# Allegro board S071AA-0413-20260427.brd (continued)
## Routing (per net, layer and track width the routed paths; a pad name or vN(x,y) marks a point on that pad's centre or on a via; arc(x,y) is an arc through that point) (continued)
  L09_DPS w0.076: 138.29,213.06 v2(138.72,212.63)
  L09_DPS w0.203: 138.29,213.06 137.84,213.51 v1(132.52,213.51)
  L10_DGND w0.203: K32.6 102.12,243.94 ; K32.6 103.24,242.82 ; K32.6 101.01,242.82 ; K32.6 102.12,241.71 ; K21.7 43.96,228.7 ; K21.7 43.96,226.47 ; K21.7 45.08,227.58 ; 66.46,242.82 K30.7 ; K30.7 68.7,242.82 ; K30.7 67.58,241.71 ; K30.7 67.58,243.94 ; K15.7 114.82,213.46 ; K15.7 115.94,212.34 ; K15.7 114.82,211.23 ; K15.7 113.71,212.34 ; 90.08,227.58 K23.7 ; K23.7 91.2,226.47 ; K23.7 92.32,227.58 ; K23.7 91.2,228.7 ; 54.88,211.23 K7.6 ; K7.6 54.88,213.46 ; K7.6 53.76,212.34 ; K7.6 56,212.34 ; 67.58,234.09 K26.7 ; K26.7 66.46,235.2 ; K26.7 68.7,235.2 ; K26.7 67.58,236.32 ; 78.5,211.23 K14.6 ; K14.6 77.38,212.34 ; K14.6 78.5,213.46 ; K14.6 79.62,212.34 ; 77.38,235.2 K27.6 ; K27.6 78.5,236.32 ; K27.6 79.62,235.2 ; K27.6 78.5,234.09 ; K26.6 54.88,236.32 ; K26.6 53.76,235.2 ; K26.6 54.88,234.09 ; K26.6 56,235.2 ; 101.01,227.58 K24.6 ; K24.6 103.24,227.58 ; K24.6 102.12,226.47 ; K24.6 102.12,228.7 ; K19.7 92.32,219.96 ; K19.7 90.08,219.96 ; K19.7 91.2,218.85 ; K19.7 91.2,221.08 ; 77.38,204.72 K12.6 ; K12.6 78.5,205.84 ; K12.6 78.5,203.61 ; K12.6 79.62,204.72 ; K8.7 68.7,204.72 ; K8.7 67.58,203.61 ; K8.7 67.58,205.84 ; K8.7 66.46,204.72 ; K7.7 67.58,213.46 ; K7.7 66.46,212.34 ; K7.7 68.7,212.34 ; K7.7 67.58,211.23 ; K28.6 103.24,235.2 ; K28.6 102.12,234.09 ; K28.6 101.01,235.2 ; K28.6 102.12,236.32 ; 90.08,242.82 K31.7 ; K31.7 91.2,243.94 ; K31.7 92.32,242.82 ; K31.7 91.2,241.71 ; K22.7 67.58,228.7 ; K22.7 68.7,227.58 ; K22.7 66.46,227.58 ; K22.7 67.58,226.47 ; K25.7 43.96,236.32 ; K25.7 45.08,235.2 ; K25.7 43.96,234.09 ; 91.2,203.61 K12.7 ; K12.7 90.08,204.72 ; K12.7 92.32,204.72 ; K12.7 91.2,205.84 ; 113.71,242.82 K32.7 ; K32.7 115.94,242.82 ; K32.7 114.82,243.94 ; K32.7 114.82,241.71 ; K22.6 54.88,228.7 ; K22.6 56,227.58 ; K22.6 53.76,227.58 ; K22.6 54.88,226.47 ; 43.96,241.71 K29.7 ; K29.7 45.08,242.82 ; K29.7 43.96,243.94 ; K13.6 102.12,205.84 ; K13.6 101.01,204.72 ; K13.6 102.12,203.61 ; K13.6 103.24,204.72 ; 54.88,205.84 K8.6 56,204.72 ; 113.71,227.58 K24.7 ; K24.7 114.82,226.47 ; K24.7 114.82,228.7 ; K24.7 115.94,227.58 ; 101.01,212.34 K15.6 ; K15.6 102.12,213.46 ; K15.6 102.12,211.23 ; K15.6 103.24,212.34 ; 54.88,218.85 K18.6 ; K18.6 54.88,221.08 ; K18.6 53.76,219.96 ; K18.6 56,219.96 ; 54.88,241.71 K30.6 ; K30.6 56,242.82 ; K30.6 54.88,243.94 ; K30.6 53.76,242.82 ; K31.6 78.5,243.94 ; K31.6 79.62,242.82 ; K31.6 77.38,242.82 ; K31.6 78.5,241.71 ; K14.7 92.32,212.34 ; K14.7 90.08,212.34 ; K14.7 91.2,213.46 ; K14.7 91.2,211.23 ; 113.71,235.2 K28.7 ; K28.7 115.94,235.2 ; K28.7 114.82,236.32 ; K28.7 114.82,234.09 ; K27.7 92.32,235.2 ; K27.7 91.2,236.32 ; K27.7 91.2,234.09 ; K27.7 90.08,235.2 ; K18.7 68.7,219.96 ; K18.7 66.46,219.96 ; K18.7 67.58,221.08 ; K18.7 67.58,218.85 ; K23.6 79.62,227.58 ; K23.6 78.5,226.47 ; K23.6 78.5,228.7 ; K23.6 77.38,227.58 ; 102.12,218.85 K20.6 ; K20.6 102.12,221.08 ; K20.6 103.24,219.96 ; K20.6 101.01,219.96 ; K13.7 115.94,204.72 ; K13.7 114.82,203.61 ; K13.7 114.82,205.84 ; K13.7 113.71,204.72 ; 77.38,219.96 K19.6 ; K19.6 78.5,221.08 ; K19.6 78.5,218.85 ; K19.6 79.62,219.96 ; K20.7 115.94,219.96 ; K20.7 114.82,218.85 ; K20.7 114.82,221.08 ; K20.7 113.71,219.96 ; 43.96,218.85 K17.7 ; K17.7 45.08,219.96 ; K17.7 43.96,221.08
  L15_DGND w0.203: 30.14,204.72 K5.6 ; K5.6 31.26,205.84 ; K5.6 32.38,204.72 ; K5.6 31.26,203.61 ; 53.76,204.72 K8.6 ; K8.6 56,204.72 ; K8.6 54.88,205.84 ; K8.6 54.88,203.61 ; K4.7 43.96,213.46 ; K4.7 45.08,212.34 ; K4.7 43.96,211.23 ; K4.7 42.84,212.34 ; K26.6 56,235.2 ; K26.6 54.88,236.32 ; K26.6 54.88,234.09 ; K26.6 53.76,235.2 ; 31.26,195.99 K6.6 ; K6.6 32.38,197.1 ; K6.6 30.14,197.1 ; K6.6 31.26,198.22 ; 43.96,203.61 K5.7 ; K5.7 45.08,204.72 ; K5.7 43.96,205.84 ; K5.7 42.84,204.72 ; K17.7 45.08,219.96 ; K17.7 42.84,219.96 ; K17.7 43.96,221.08 ; K17.7 43.96,218.85 ; K30.6 56,242.82 ; K30.6 54.88,243.94 ; K30.6 53.76,242.82 ; K30.6 54.88,241.71 ; 53.76,189.48 K3.6 ; K3.6 56,189.48 ; K3.6 54.88,188.37 ; K3.6 54.88,190.6 ; 42.84,242.82 K29.7 ; K29.7 43.96,243.94 ; K29.7 45.08,242.82 ; K29.7 43.96,241.71 ; 53.76,212.34 K7.6 ; K7.6 56,212.34 ; K7.6 54.88,213.46 ; K7.6 54.88,211.23 ; K16.7 43.96,190.6 ; K16.7 45.08,189.48 ; K16.7 43.96,188.37 ; K16.7 42.84,189.48 ; 30.14,219.96 K17.6 ; K17.6 31.26,218.85 ; K17.6 31.26,221.08 ; K17.6 32.38,219.96 ; 54.88,195.99 K9.6 ; K9.6 56,197.1 ; K9.6 54.88,198.22 ; K9.6 53.76,197.1 ; 42.84,197.1 K6.7 ; K6.7 45.08,197.1 ; K6.7 43.96,195.99 ; K6.7 43.96,198.22 ; K4.6 31.26,213.46 ; K4.6 32.38,212.34 ; K4.6 31.26,211.23 ; K4.6 30.14,212.34 ; 30.14,227.58 K21.6 ; K21.6 31.26,228.7 ; K21.6 32.38,227.58 ; K21.6 31.26,226.47 ; K22.6 54.88,228.7 ; K22.6 54.88,226.47 ; K22.6 53.76,227.58 ; K22.6 56,227.58 ; K21.7 43.96,228.7 ; K21.7 42.84,227.58 ; K21.7 45.08,227.58 ; K21.7 43.96,226.47 ; K18.6 54.88,221.08 ; K18.6 53.76,219.96 ; K18.6 56,219.96 ; K18.6 54.88,218.85 ; 31.26,188.37 K16.6 ; K16.6 31.26,190.6 ; K16.6 32.38,189.48 ; K16.6 30.14,189.48 ; K25.6 32.38,235.2 ; K25.6 30.14,235.2 ; K25.6 31.26,234.09 ; K25.6 31.26,236.32 ; K25.7 43.96,236.32 ; K25.7 42.84,235.2 ; K25.7 45.08,235.2 ; K25.7 43.96,234.09 ; 30.14,242.82 K29.6 ; K29.6 31.26,241.71 ; K29.6 31.26,243.94 ; K29.6 32.38,242.82
  L17_DGND w0.203: 66.46,197.1 K9.7 ; K9.7 68.7,197.1 ; K9.7 67.58,195.99 ; K9.7 67.58,198.22 ; K25.7 45.08,235.2 ; K25.7 42.84,235.2 ; K25.7 43.96,236.32 ; K25.7 43.96,234.09 ; 30.14,189.48 K16.6 ; K16.6 31.26,188.37 ; K16.6 31.26,190.6 ; K16.6 32.38,189.48 ; 31.26,226.47 K21.6 ; K21.6 30.14,227.58 ; K21.6 32.38,227.58 ; K21.6 31.26,228.7 ; 78.5,211.23 K14.6 ; K14.6 79.62,212.34 ; K14.6 77.38,212.34 ; K14.6 78.5,213.46 ; K29.6 31.26,243.94 ; K29.6 32.38,242.82 ; K29.6 30.14,242.82 ; K29.6 31.26,241.71 ; 91.2,218.85 K19.7 ; K19.7 90.08,219.96 ; K19.7 91.2,221.08 ; K19.7 92.32,219.96 ; 67.58,226.47 K22.7 ; K22.7 67.58,228.7 ; K22.7 66.46,227.58 ; K22.7 68.7,227.58 ; 31.26,211.23 K4.6 ; K4.6 30.14,212.34 ; K4.6 31.26,213.46 ; K4.6 32.38,212.34 ; K3.7 68.7,189.48 ; K3.7 66.46,189.48 ; K3.7 67.58,190.6 ; K3.7 67.58,188.37 ; 67.58,234.09 K26.7 ; K26.7 66.46,235.2 ; K26.7 67.58,236.32 ; K26.7 68.7,235.2 ; 77.38,189.48 K2.6 ; K2.6 78.5,190.6 ; K2.6 79.62,189.48 ; K2.6 78.5,188.37 ; K8.7 68.7,204.72 ; K8.7 67.58,205.84 ; K8.7 66.46,204.72 ; K8.7 67.58,203.61 ; 101.01,235.2 K28.6 ; K28.6 102.12,236.32 ; K28.6 102.12,234.09 ; K28.6 103.24,235.2 ; 102.12,203.61 K13.6 ; K13.6 102.12,205.84 ; K13.6 103.24,204.72 ; K13.6 101.01,204.72 ; K29.7 43.96,243.94 ; K29.7 42.84,242.82 ; K29.7 45.08,242.82 ; K29.7 43.96,241.71 ; K24.7 114.82,228.7 ; K24.7 115.94,227.58 ; K24.7 113.71,227.58 ; K24.7 114.82,226.47 ; 102.12,241.71 K32.6 ; K32.6 103.24,242.82 ; K32.6 101.01,242.82 ; K26.6 54.88,236.32 ; K26.6 53.76,235.2 ; K26.6 54.88,234.09 ; K26.6 56,235.2 ; 53.76,189.48 K3.6 ; K3.6 56,189.48 ; K3.6 54.88,190.6 ; K3.6 54.88,188.37 ; K14.7 91.2,213.46 ; K14.7 91.2,211.23 ; K14.7 92.32,212.34 ; K14.7 90.08,212.34 ; K18.7 67.58,221.08 ; K18.7 67.58,218.85 ; K18.7 66.46,219.96 ; K18.7 68.7,219.96 ; K25.6 31.26,236.32 ; K25.6 32.38,235.2 ; K25.6 30.14,235.2 ; K25.6 31.26,234.09 ; K24.6 103.24,227.58 ; K24.6 102.12,226.47 ; K24.6 102.12,228.7 ; K24.6 101.01,227.58 ; K1.6 102.12,190.6 ; K1.6 102.12,188.37 ; K1.6 103.24,189.48 ; K1.6 101.01,189.48 ; 114.82,188.37 K1.7 ; K1.7 113.71,189.48 ; K1.7 114.82,190.6 ; K1.7 115.94,189.48 ; 90.08,235.2 K27.7 ; K27.7 91.2,236.32 ; K27.7 92.32,235.2 ; K27.7 91.2,234.09 ; 101.01,197.1 K11.6 ; K11.6 103.24,197.1 ; K11.6 102.12,198.22 ; K11.6 102.12,195.99 ; K16.7 43.96,190.6 ; K16.7 43.96,188.37 ; K16.7 45.08,189.48 ; K16.7 42.84,189.48 ; K7.6 56,212.34 ; K7.6 53.76,212.34 ; K7.6 54.88,211.23 ; K7.6 54.88,213.46 ; 114.82,203.61 K13.7 ; K13.7 113.71,204.72 ; K13.7 115.94,204.72 ; K13.7 114.82,205.84 ; K4.7 43.96,213.46 ; K4.7 42.84,212.34 ; K4.7 43.96,211.23 ; K4.7 45.08,212.34 ; 42.84,227.58 K21.7 ; K21.7 43.96,226.47 ; K21.7 43.96,228.7 ; K21.7 45.08,227.58 ; 90.08,227.58 K23.7 ; K23.7 92.32,227.58 ; K23.7 91.2,226.47 ; K23.7 91.2,228.7 ; 53.76,242.82 K30.6 ; K30.6 56,242.82 ; K30.6 54.88,243.94 ; K30.6 54.88,241.71 ; 113.71,235.2 K28.7 ; K28.7 114.82,236.32 ; K28.7 114.82,234.09 ; K28.7 115.94,235.2 ; K17.6 32.38,219.96 ; K17.6 31.26,221.08 ; K17.6 31.26,218.85 ; K17.6 30.14,219.96 ; K12.7 92.32,204.72 ; K12.7 91.2,203.61 ; K12.7 90.08,204.72 ; K12.7 91.2,205.84 ; K12.6 79.62,204.72 ; K12.6 78.5,203.61 ; K12.6 77.38,204.72 ; K12.6 78.5,205.84 ; K18.6 54.88,221.08 ; K18.6 54.88,218.85 ; K18.6 53.76,219.96 ; K18.6 56,219.96 ; K8.6 54.88,205.84 ; K8.6 56,204.72 ; K8.6 54.88,203.61 ; K8.6 53.76,204.72 ; 114.82,195.99 K11.7 ; K11.7 114.82,198.22 ; K11.7 115.94,197.1 ; K11.7 113.71,197.1 ; K31.7 92.32,242.82 ; K31.7 90.08,242.82 ; K31.7 91.2,241.71 ; 42.84,219.96 K17.7 ; K17.7 45.08,219.96 ; K17.7 43.96,218.85 ; K17.7 43.96,221.08 ; K15.6 103.24,212.34 ; K15.6 101.01,212.34 ; K15.6 102.12,211.23 ; K15.6 102.12,213.46 ; 31.26,195.99 K6.6 ; K6.6 31.26,198.22 ; K6.6 30.14,197.1 ; K6.6 32.38,197.1 ; 114.82,241.71 K32.7 ; K32.7 113.71,242.82 ; K32.7 115.94,242.82 ; 102.12,218.85 K20.6 ; K20.6 103.24,219.96 ; K20.6 102.12,221.08 ; K20.6 101.01,219.96 ; 77.38,219.96 K19.6 ; K19.6 78.5,218.85 ; K19.6 78.5,221.08 ; K19.6 79.62,219.96 ; K10.6 78.5,198.22 ; K10.6 77.38,197.1 ; K10.6 78.5,195.99 ; K10.6 79.62,197.1 ; K5.7 45.08,204.72 ; K5.7 42.84,204.72 ; K5.7 43.96,203.61 ; K5.7 43.96,205.84 ; 66.46,212.34 K7.7 ; K7.7 67.58,213.46 ; K7.7 68.7,212.34 ; K7.7 67.58,211.23 ; 67.58,241.71 K30.7 ; K30.7 66.46,242.82 ; K30.7 68.7,242.82 ; 30.14,204.72 K5.6 ; K5.6 31.26,203.61 ; K5.6 32.38,204.72 ; K5.6 31.26,205.84 ; 113.71,212.34 K15.7 ; K15.7 114.82,211.23 ; K15.7 115.94,212.34 ; K15.7 114.82,213.46 ; 54.88,195.99 K9.6 ; K9.6 53.76,197.1 ; K9.6 54.88,198.22 ; K9.6 56,197.1 ; K20.7 114.82,221.08 ; K20.7 115.94,219.96 ; K20.7 113.71,219.96 ; K20.7 114.82,218.85 ; K6.7 43.96,198.22 ; K6.7 42.84,197.1 ; K6.7 45.08,197.1 ; K6.7 43.96,195.99 ; 78.5,234.09 K27.6 ; K27.6 77.38,235.2 ; K27.6 79.62,235.2 ; K27.6 78.5,236.32 ; K10.7 91.2,198.22 ; K10.7 91.2,195.99 ; K10.7 90.08,197.1 ; K10.7 92.32,197.1 ; 90.08,189.48 K2.7 ; K2.7 91.2,190.6 ; K2.7 92.32,189.48 ; K2.7 91.2,188.37 ; K23.6 78.5,228.7 ; K23.6 77.38,227.58 ; K23.6 79.62,227.58 ; K23.6 78.5,226.47 ; 53.76,227.58 K22.6 ; K22.6 54.88,226.47 ; K22.6 54.88,228.7 ; K22.6 56,227.58 ; 78.5,241.71 K31.6 ; K31.6 77.38,242.82 ; K31.6 79.62,242.82
  L19_DGND w0.203: 42.84,219.96 K17.7 ; K17.7 43.96,218.85 ; K17.7 43.96,221.08 ; K17.7 45.08,219.96 ; 78.5,241.71 K31.6 ; K31.6 77.38,242.82 ; K31.6 79.62,242.82 ; K11.7 114.82,198.22 ; K11.7 114.82,195.99 ; K11.7 113.71,197.1 ; K11.7 115.94,197.1 ; K6.6 32.38,197.1 ; K6.6 31.26,195.99 ; K6.6 30.14,197.1 ; K6.6 31.26,198.22 ; 114.82,241.71 K32.7 ; K32.7 113.71,242.82 ; K32.7 115.94,242.82 ; 101.01,212.34 K15.6 ; K15.6 102.12,211.23 ; K15.6 102.12,213.46 ; K15.6 103.24,212.34 ; K1.7 115.94,189.48 ; K1.7 114.82,188.37 ; K1.7 113.71,189.48 ; K1.7 114.82,190.6 ; K26.7 68.7,235.2 ; K26.7 66.46,235.2 ; K26.7 67.58,234.09 ; K26.7 67.58,236.32 ; K7.7 68.7,212.34 ; K7.7 66.46,212.34 ; K7.7 67.58,213.46 ; K7.7 67.58,211.23 ; 114.82,234.09 K28.7 ; K28.7 114.82,236.32 ; K28.7 113.71,235.2 ; K28.7 115.94,235.2 ; 53.76,212.34 K7.6 ; K7.6 54.88,211.23 ; K7.6 56,212.34 ; K7.6 54.88,213.46 ; 101.01,242.82 K32.6 ; K32.6 102.12,241.71 ; K32.6 103.24,242.82 ; 101.01,219.96 K20.6 ; K20.6 103.24,219.96 ; K20.6 102.12,218.85 ; K20.6 102.12,221.08 ; 53.76,197.1 K9.6 ; K9.6 56,197.1 ; K9.6 54.88,198.22 ; K9.6 54.88,195.99 ; 43.96,203.61 K5.7 ; K5.7 42.84,204.72 ; K5.7 45.08,204.72 ; K5.7 43.96,205.84 ; 67.58,195.99 K9.7 ; K9.7 67.58,198.22 ; K9.7 68.7,197.1 ; K9.7 66.46,197.1 ; 67.58,203.61 K8.7 ; K8.7 66.46,204.72 ; K8.7 68.7,204.72 ; K8.7 67.58,205.84 ; K13.7 114.82,205.84 ; K13.7 114.82,203.61 ; K13.7 113.71,204.72 ; K13.7 115.94,204.72 ; 67.58,241.71 K30.7 ; K30.7 68.7,242.82 ; K30.7 66.46,242.82 ; 77.38,212.34 K14.6 ; K14.6 78.5,211.23 ; K14.6 79.62,212.34 ; K14.6 78.5,213.46 ; 77.38,227.58 K23.6 ; K23.6 79.62,227.58 ; K23.6 78.5,228.7 ; K23.6 78.5,226.47 ; 43.96,234.09 K25.7 ; K25.7 42.84,235.2 ; K25.7 45.08,235.2 ; K25.7 43.96,236.32 ; K19.7 91.2,221.08 ; K19.7 91.2,218.85 ; K19.7 92.32,219.96 ; K19.7 90.08,219.96 ; K6.7 43.96,198.22 ; K6.7 45.08,197.1 ; K6.7 43.96,195.99 ; K6.7 42.84,197.1 ; K10.6 78.5,198.22 ; K10.6 79.62,197.1 ; K10.6 78.5,195.99 ; K10.6 77.38,197.1 ; 53.76,235.2 K26.6 ; K26.6 56,235.2 ; K26.6 54.88,234.09 ; K26.6 54.88,236.32 ; 114.82,218.85 K20.7 ; K20.7 113.71,219.96 ; K20.7 114.82,221.08 ; K20.7 115.94,219.96 ; 43.96,226.47 K21.7 ; K21.7 43.96,228.7 ; K21.7 45.08,227.58 ; K21.7 42.84,227.58 ; 91.2,211.23 K14.7 ; K14.7 92.32,212.34 ; K14.7 91.2,213.46 ; K14.7 90.08,212.34 ; K3.7 67.58,190.6 ; K3.7 66.46,189.48 ; K3.7 68.7,189.48 ; K3.7 67.58,188.37 ; K2.6 78.5,190.6 ; K2.6 78.5,188.37 ; K2.6 79.62,189.48 ; K2.6 77.38,189.48 ; 42.84,189.48 K16.7 ; K16.7 43.96,190.6 ; K16.7 45.08,189.48 ; K16.7 43.96,188.37 ; K12.7 91.2,205.84 ; K12.7 91.2,203.61 ; K12.7 92.32,204.72 ; K12.7 90.08,204.72 ; 77.38,204.72 K12.6 ; K12.6 79.62,204.72 ; K12.6 78.5,203.61 ; K12.6 78.5,205.84 ; 102.12,226.47 K24.6 ; K24.6 102.12,228.7 ; K24.6 103.24,227.58 ; K24.6 101.01,227.58 ; 30.14,227.58 K21.6 ; K21.6 31.26,226.47 ; K21.6 31.26,228.7 ; K21.6 32.38,227.58 ; K10.7 92.32,197.1 ; K10.7 91.2,195.99 ; K10.7 91.2,198.22 ; K10.7 90.08,197.1 ; 101.01,197.1 K11.6 ; K11.6 102.12,198.22 ; K11.6 103.24,197.1 ; K11.6 102.12,195.99 ; 31.26,241.71 K29.6 ; K29.6 32.38,242.82 ; K29.6 30.14,242.82 ; K22.6 56,227.58 ; K22.6 54.88,226.47 ; K22.6 53.76,227.58 ; K22.6 54.88,228.7 ; K27.7 91.2,236.32 ; K27.7 90.08,235.2 ; K27.7 92.32,235.2 ; K27.7 91.2,234.09 ; 67.58,226.47 K22.7 ; K22.7 67.58,228.7 ; K22.7 68.7,227.58 ; K22.7 66.46,227.58 ; 90.08,242.82 K31.7 ; K31.7 92.32,242.82 ; K31.7 91.2,241.71 ; K2.7 91.2,190.6 ; K2.7 91.2,188.37 ; K2.7 90.08,189.48 ; K2.7 92.32,189.48 ; K23.7 91.2,228.7 ; K23.7 90.08,227.58 ; K23.7 92.32,227.58 ; K23.7 91.2,226.47 ; 30.14,219.96 K17.6 ; K17.6 31.26,221.08 ; K17.6 32.38,219.96 ; K17.6 31.26,218.85 ; 53.76,189.48 K3.6 ; K3.6 56,189.48 ; K3.6 54.88,188.37 ; K3.6 54.88,190.6 ; 31.26,234.09 K25.6 ; K25.6 32.38,235.2 ; K25.6 30.14,235.2 ; K25.6 31.26,236.32 ; K16.6 31.26,190.6 ; K16.6 32.38,189.48 ; K16.6 31.26,188.37 ; K16.6 30.14,189.48 ; 53.76,219.96 K18.6 ; K18.6 54.88,218.85 ; K18.6 54.88,221.08 ; K18.6 56,219.96 ; K15.7 114.82,213.46 ; K15.7 113.71,212.34 ; K15.7 114.82,211.23 ; K15.7 115.94,212.34 ; K27.6 78.5,236.32 ; K27.6 77.38,235.2 ; K27.6 78.5,234.09 ; K27.6 79.62,235.2 ; K18.7 67.58,221.08 ; K18.7 67.58,218.85 ; K18.7 68.7,219.96 ; K18.7 66.46,219.96 ; 30.14,204.72 K5.6 ; K5.6 32.38,204.72 ; K5.6 31.26,203.61 ; K5.6 31.26,205.84 ; 114.82,226.47 K24.7 ; K24.7 114.82,228.7 ; K24.7 115.94,227.58 ; K24.7 113.71,227.58 ; K8.6 56,204.72 ; K8.6 54.88,205.84 ; K8.6 54.88,203.61 ; K8.6 53.76,204.72 ; 30.14,212.34 K4.6 ; K4.6 31.26,211.23 ; K4.6 31.26,213.46 ; K4.6 32.38,212.34 ; K1.6 102.12,190.6 ; K1.6 102.12,188.37 ; K1.6 103.24,189.48 ; K1.6 101.01,189.48 ; 43.96,241.71 K29.7 ; K29.7 42.84,242.82 ; K29.7 45.08,242.82 ; K30.6 56,242.82 ; K30.6 53.76,242.82 ; K30.6 54.88,241.71 ; K19.6 78.5,221.08 ; K19.6 78.5,218.85 ; K19.6 77.38,219.96 ; K19.6 79.62,219.96 ; K13.6 102.12,205.84 ; K13.6 103.24,204.72 ; K13.6 102.12,203.61 ; K13.6 101.01,204.72 ; K4.7 43.96,213.46 ; K4.7 42.84,212.34 ; K4.7 45.08,212.34 ; K4.7 43.96,211.23 ; 101.01,235.2 K28.6 ; K28.6 102.12,236.32 ; K28.6 102.12,234.09 ; K28.6 103.24,235.2
  L21_DGND w0.203: 31.26,195.99 K6.6 ; K6.6 31.26,198.22 ; K6.6 30.14,197.1 ; K6.6 32.38,197.1 ; 66.46,189.48 K3.7 ; K3.7 67.58,190.6 ; K3.7 67.58,188.37 ; K3.7 68.7,189.48 ; 78.5,218.85 K19.6 ; K19.6 78.5,221.08 ; K19.6 77.38,219.96 ; K19.6 79.62,219.96 ; 113.71,227.58 K24.7 ; K24.7 114.82,228.7 ; K24.7 115.94,227.58 ; K24.7 114.82,226.47 ; K12.6 78.5,205.84 ; K12.6 79.62,204.72 ; K12.6 78.5,203.61 ; K12.6 77.38,204.72 ; 31.26,203.61 K5.6 ; K5.6 30.14,204.72 ; K5.6 31.26,205.84 ; K5.6 32.38,204.72 ; 42.84,235.2 K25.7 ; K25.7 43.96,234.09 ; K25.7 45.08,235.2 ; K25.7 43.96,236.32 ; K15.7 114.82,213.46 ; K15.7 114.82,211.23 ; K15.7 113.71,212.34 ; K15.7 115.94,212.34 ; K2.6 78.5,190.6 ; K2.6 79.62,189.48 ; K2.6 78.5,188.37 ; K2.6 77.38,189.48 ; 90.08,242.82 K31.7 ; K31.7 91.2,241.71 ; K31.7 92.32,242.82 ; K4.6 31.26,213.46 ; K4.6 32.38,212.34 ; K4.6 31.26,211.23 ; K4.6 30.14,212.34 ; 90.08,197.1 K10.7 ; K10.7 92.32,197.1 ; K10.7 91.2,195.99 ; K10.7 91.2,198.22 ; K25.6 32.38,235.2 ; K25.6 30.14,235.2 ; K25.6 31.26,234.09 ; K25.6 31.26,236.32 ; K6.7 43.96,198.22 ; K6.7 45.08,197.1 ; K6.7 43.96,195.99 ; K6.7 42.84,197.1 ; K26.7 67.58,236.32 ; K26.7 67.58,234.09 ; K26.7 66.46,235.2 ; K26.7 68.7,235.2 ; 54.88,211.23 K7.6 ; K7.6 53.76,212.34 ; K7.6 56,212.34 ; K7.6 54.88,213.46 ; 43.96,218.85 K17.7 ; K17.7 43.96,221.08 ; K17.7 42.84,219.96 ; K17.7 45.08,219.96 ; K20.6 102.12,221.08 ; K20.6 103.24,219.96 ; K20.6 102.12,218.85 ; K20.6 101.01,219.96 ; 78.5,241.71 K31.6 ; K31.6 79.62,242.82 ; K31.6 77.38,242.82 ; K21.7 43.96,228.7 ; K21.7 42.84,227.58 ; K21.7 45.08,227.58 ; K21.7 43.96,226.47 ; 54.88,195.99 K9.6 ; K9.6 54.88,198.22 ; K9.6 56,197.1 ; K9.6 53.76,197.1 ; K28.7 114.82,236.32 ; K28.7 113.71,235.2 ; K28.7 114.82,234.09 ; K28.7 115.94,235.2 ; 42.84,242.82 K29.7 ; K29.7 45.08,242.82 ; K29.7 43.96,241.71 ; K23.7 91.2,228.7 ; K23.7 91.2,226.47 ; K23.7 92.32,227.58 ; K23.7 90.08,227.58 ; K7.7 67.58,213.46 ; K7.7 66.46,212.34 ; K7.7 67.58,211.23 ; K7.7 68.7,212.34 ; 114.82,203.61 K13.7 ; K13.7 113.71,204.72 ; K13.7 115.94,204.72 ; K13.7 114.82,205.84 ; K28.6 103.24,235.2 ; K28.6 101.01,235.2 ; K28.6 102.12,234.09 ; K28.6 102.12,236.32 ; K24.6 102.12,228.7 ; K24.6 101.01,227.58 ; K24.6 102.12,226.47 ; K24.6 103.24,227.58 ; K14.7 92.32,212.34 ; K14.7 91.2,211.23 ; K14.7 90.08,212.34 ; K14.7 91.2,213.46 ; K32.6 103.24,242.82 ; K32.6 101.01,242.82 ; K32.6 102.12,241.71 ; 66.46,204.72 K8.7 ; K8.7 67.58,205.84 ; K8.7 68.7,204.72 ; K8.7 67.58,203.61 ; K14.6 79.62,212.34 ; K14.6 78.5,213.46 ; K14.6 77.38,212.34 ; K14.6 78.5,211.23 ; K16.6 31.26,190.6 ; K16.6 32.38,189.48 ; K16.6 30.14,189.48 ; K16.6 31.26,188.37 ; K19.7 92.32,219.96 ; K19.7 91.2,221.08 ; K19.7 90.08,219.96 ; K19.7 91.2,218.85 ; K30.6 56,242.82 ; K30.6 54.88,241.71 ; K30.6 53.76,242.82 ; K22.6 54.88,228.7 ; K22.6 56,227.58 ; K22.6 54.88,226.47 ; K22.6 53.76,227.58 ; K15.6 102.12,213.46 ; K15.6 101.01,212.34 ; K15.6 103.24,212.34 ; K15.6 102.12,211.23 ; K1.6 102.12,190.6 ; K1.6 101.01,189.48 ; K1.6 103.24,189.48 ; K1.6 102.12,188.37 ; K4.7 43.96,213.46 ; K4.7 45.08,212.34 ; K4.7 43.96,211.23 ; K4.7 42.84,212.34 ; K11.6 103.24,197.1 ; K11.6 102.12,198.22 ; K11.6 101.01,197.1 ; K11.6 102.12,195.99 ; 91.2,188.37 K2.7 ; K2.7 90.08,189.48 ; K2.7 92.32,189.48 ; K2.7 91.2,190.6 ; 113.71,219.96 K20.7 ; K20.7 114.82,221.08 ; K20.7 115.94,219.96 ; K20.7 114.82,218.85 ; 67.58,195.99 K9.7 ; K9.7 67.58,198.22 ; K9.7 66.46,197.1 ; K9.7 68.7,197.1 ; 67.58,218.85 K18.7 ; K18.7 66.46,219.96 ; K18.7 67.58,221.08 ; K18.7 68.7,219.96 ; 66.46,242.82 K30.7 ; K30.7 68.7,242.82 ; K30.7 67.58,241.71 ; 113.71,197.1 K11.7 ; K11.7 114.82,198.22 ; K11.7 114.82,195.99 ; K11.7 115.94,197.1 ; 53.76,189.48 K3.6 ; K3.6 54.88,190.6 ; K3.6 54.88,188.37 ; K3.6 56,189.48 ; K23.6 79.62,227.58 ; K23.6 77.38,227.58 ; K23.6 78.5,228.7 ; K23.6 78.5,226.47 ; 113.71,242.82 K32.7 ; K32.7 115.94,242.82 ; K32.7 114.82,241.71 ; 66.46,227.58 K22.7 ; K22.7 68.7,227.58 ; K22.7 67.58,226.47 ; K22.7 67.58,228.7 ; K26.6 56,235.2 ; K26.6 54.88,236.32 ; K26.6 54.88,234.09 ; K26.6 53.76,235.2 ; 77.38,197.1 K10.6 ; K10.6 78.5,198.22 ; K10.6 79.62,197.1 ; K10.6 78.5,195.99 ; 78.5,234.09 K27.6 ; K27.6 79.62,235.2 ; K27.6 77.38,235.2 ; K27.6 78.5,236.32 ; 31.26,241.71 K29.6 ; K29.6 32.38,242.82 ; K29.6 30.14,242.82 ; K21.6 32.38,227.58 ; K21.6 31.26,228.7 ; K21.6 31.26,226.47 ; K21.6 30.14,227.58 ; 114.82,188.37 K1.7 ; K1.7 114.82,190.6 ; K1.7 115.94,189.48 ; K1.7 113.71,189.48 ; 30.14,219.96 K17.6 ; K17.6 31.26,218.85 ; K17.6 31.26,221.08 ; K17.6 32.38,219.96 ; K12.7 91.2,205.84 ; K12.7 90.08,204.72 ; K12.7 91.2,203.61 ; K12.7 92.32,204.72 ; 43.96,188.37 K16.7 ; K16.7 43.96,190.6 ; K16.7 45.08,189.48 ; K16.7 42.84,189.48 ; 90.08,235.2 K27.7 ; K27.7 91.2,236.32 ; K27.7 92.32,235.2 ; K27.7 91.2,234.09 ; 101.01,204.72 K13.6 ; K13.6 102.12,203.61 ; K13.6 103.24,204.72 ; K13.6 102.12,205.84 ; 42.84,204.72 K5.7 ; K5.7 45.08,204.72 ; K5.7 43.96,205.84 ; K5.7 43.96,203.61 ; K8.6 56,204.72 ; K8.6 54.88,203.61 ; K8.6 54.88,205.84 ; K8.6 53.76,204.72 ; K18.6 56,219.96 ; K18.6 54.88,218.85 ; K18.6 53.76,219.96 ; K18.6 54.88,221.08
  L23_DGND w0.203: 78.5,241.71 K31.6 ; K31.6 79.62,242.82 ; K31.6 77.38,242.82 ; K31.6 78.5,243.94 ; K23.6 79.62,227.58 ; K23.6 78.5,228.7 ; K23.6 78.5,226.47 ; K23.6 77.38,227.58 ; K3.7 67.58,190.6 ; K3.7 68.7,189.48 ; K3.7 66.46,189.48 ; K3.7 67.58,188.37 ; 78.5,234.09 K27.6 ; K27.6 79.62,235.2 ; K27.6 77.38,235.2 ; K27.6 78.5,236.32 ; K24.6 103.24,227.58 ; K24.6 102.12,228.7 ; K24.6 101.01,227.58 ; K24.6 102.12,226.47 ; 43.96,188.37 K16.7 ; K16.7 45.08,189.48 ; K16.7 42.84,189.48 ; K16.7 43.96,190.6 ; 66.46,197.1 K9.7 ; K9.7 68.7,197.1 ; K9.7 67.58,195.99 ; K9.7 67.58,198.22 ; 102.12,241.71 K32.6 ; K32.6 103.24,242.82 ; K32.6 101.01,242.82 ; K32.6 102.12,243.94 ; K30.6 56,242.82 ; K30.6 53.76,242.82 ; K30.6 54.88,243.94 ; K30.6 54.88,241.71 ; K5.7 45.08,204.72 ; K5.7 42.84,204.72 ; K5.7 43.96,205.84 ; K5.7 43.96,203.61 ; K1.6 103.24,189.48 ; K1.6 102.12,188.37 ; K1.6 102.12,190.6 ; K1.6 101.01,189.48 ; K20.6 103.24,219.96 ; K20.6 102.12,221.08 ; K20.6 102.12,218.85 ; K20.6 101.01,219.96 ; K19.6 79.62,219.96 ; K19.6 77.38,219.96 ; K19.6 78.5,221.08 ; K19.6 78.5,218.85 ; 102.12,195.99 K11.6 ; K11.6 102.12,198.22 ; K11.6 103.24,197.1 ; K11.6 101.01,197.1 ; K18.7 67.58,221.08 ; K18.7 67.58,218.85 ; K18.7 66.46,219.96 ; K18.7 68.7,219.96 ; 78.5,188.37 K2.6 ; K2.6 79.62,189.48 ; K2.6 78.5,190.6 ; K2.6 77.38,189.48 ; 101.01,235.2 K28.6 ; K28.6 102.12,236.32 ; K28.6 102.12,234.09 ; K28.6 103.24,235.2 ; K14.7 91.2,213.46 ; K14.7 92.32,212.34 ; K14.7 91.2,211.23 ; K14.7 90.08,212.34 ; K5.6 32.38,204.72 ; K5.6 31.26,205.84 ; K5.6 30.14,204.72 ; K5.6 31.26,203.61 ; 91.2,234.09 K27.7 ; K27.7 92.32,235.2 ; K27.7 90.08,235.2 ; K27.7 91.2,236.32 ; 66.46,227.58 K22.7 ; K22.7 67.58,228.7 ; K22.7 67.58,226.47 ; K22.7 68.7,227.58 ; K4.7 43.96,213.46 ; K4.7 45.08,212.34 ; K4.7 43.96,211.23 ; K4.7 42.84,212.34 ; K22.6 56,227.58 ; K22.6 54.88,228.7 ; K22.6 54.88,226.47 ; K22.6 53.76,227.58 ; 54.88,203.61 K8.6 ; K8.6 54.88,205.84 ; K8.6 53.76,204.72 ; K8.6 56,204.72 ; K26.6 54.88,236.32 ; K26.6 53.76,235.2 ; K26.6 56,235.2 ; K26.6 54.88,234.09 ; 66.46,242.82 K30.7 ; K30.7 68.7,242.82 ; K30.7 67.58,241.71 ; K30.7 67.58,243.94 ; 43.96,195.99 K6.7 ; K6.7 43.96,198.22 ; K6.7 45.08,197.1 ; K6.7 42.84,197.1 ; K17.6 32.38,219.96 ; K17.6 31.26,221.08 ; K17.6 30.14,219.96 ; K17.6 31.26,218.85 ; K13.6 103.24,204.72 ; K13.6 102.12,205.84 ; K13.6 101.01,204.72 ; K13.6 102.12,203.61 ; 91.2,188.37 K2.7 ; K2.7 90.08,189.48 ; K2.7 92.32,189.48 ; K2.7 91.2,190.6 ; K4.6 31.26,213.46 ; K4.6 31.26,211.23 ; K4.6 30.14,212.34 ; K4.6 32.38,212.34 ; K19.7 92.32,219.96 ; K19.7 91.2,218.85 ; K19.7 91.2,221.08 ; K19.7 90.08,219.96 ; 77.38,212.34 K14.6 ; K14.6 78.5,213.46 ; K14.6 78.5,211.23 ; K14.6 79.62,212.34 ; K29.7 45.08,242.82 ; K29.7 43.96,241.71 ; K29.7 43.96,243.94 ; K29.7 42.84,242.82 ; 53.76,212.34 K7.6 ; K7.6 54.88,213.46 ; K7.6 54.88,211.23 ; K7.6 56,212.34 ; 67.58,203.61 K8.7 ; K8.7 67.58,205.84 ; K8.7 68.7,204.72 ; K8.7 66.46,204.72 ; 90.08,204.72 K12.7 ; K12.7 91.2,203.61 ; K12.7 91.2,205.84 ; K12.7 92.32,204.72 ; K17.7 45.08,219.96 ; K17.7 43.96,218.85 ; K17.7 43.96,221.08 ; K17.7 42.84,219.96 ; 53.76,197.1 K9.6 ; K9.6 56,197.1 ; K9.6 54.88,198.22 ; K9.6 54.88,195.99 ; K26.7 68.7,235.2 ; K26.7 67.58,234.09 ; K26.7 66.46,235.2 ; K26.7 67.58,236.32 ; 30.14,197.1 K6.6 ; K6.6 31.26,195.99 ; K6.6 31.26,198.22 ; K6.6 32.38,197.1 ; K3.6 56,189.48 ; K3.6 53.76,189.48 ; K3.6 54.88,188.37 ; K3.6 54.88,190.6 ; K10.7 91.2,198.22 ; K10.7 92.32,197.1 ; K10.7 90.08,197.1 ; K10.7 91.2,195.99 ; K25.6 32.38,235.2 ; K25.6 31.26,234.09 ; K25.6 31.26,236.32 ; K25.6 30.14,235.2 ; 67.58,211.23 K7.7 ; K7.7 67.58,213.46 ; K7.7 66.46,212.34 ; K7.7 68.7,212.34 ; K31.7 91.2,243.94 ; K31.7 91.2,241.71 ; K31.7 90.08,242.82 ; K31.7 92.32,242.82 ; K23.7 92.32,227.58 ; K23.7 91.2,228.7 ; K23.7 91.2,226.47 ; K23.7 90.08,227.58 ; K15.6 102.12,213.46 ; K15.6 102.12,211.23 ; K15.6 101.01,212.34 ; K15.6 103.24,212.34 ; K25.7 43.96,236.32 ; K25.7 45.08,235.2 ; K25.7 43.96,234.09 ; K25.7 42.84,235.2 ; 30.14,227.58 K21.6 ; K21.6 31.26,228.7 ; K21.6 31.26,226.47 ; K21.6 32.38,227.58 ; 43.96,226.47 K21.7 ; K21.7 45.08,227.58 ; K21.7 42.84,227.58 ; K21.7 43.96,228.7 ; K12.6 79.62,204.72 ; K12.6 78.5,203.61 ; K12.6 77.38,204.72 ; K12.6 78.5,205.84 ; 77.38,197.1 K10.6 ; K10.6 79.62,197.1 ; K10.6 78.5,198.22 ; K10.6 78.5,195.99 ; 30.14,189.48 K16.6 ; K16.6 31.26,188.37 ; K16.6 31.26,190.6 ; K16.6 32.38,189.48 ; 53.76,219.96 K18.6 ; K18.6 54.88,221.08 ; K18.6 56,219.96 ; K18.6 54.88,218.85 ; 31.26,241.71 K29.6 ; K29.6 31.26,243.94 ; K29.6 32.38,242.82 ; K29.6 30.14,242.82
  L25_DGND w0.203: 42.84,197.1 K6.7 ; K6.7 43.96,195.99 ; K6.7 45.08,197.1 ; K6.7 43.96,198.22 ; K10.6 79.62,197.1 ; K10.6 77.38,197.1 ; K10.6 78.5,198.22 ; K10.6 78.5,195.99 ; 31.26,234.09 K25.6 ; K25.6 32.38,235.2 ; K25.6 31.26,236.32 ; K25.6 30.14,235.2 ; K4.6 32.38,212.34 ; K4.6 31.26,211.23 ; K4.6 31.26,213.46 ; K4.6 30.14,212.34 ; 78.5,203.61 K12.6 ; K12.6 77.38,204.72 ; K12.6 78.5,205.84 ; K12.6 79.62,204.72 ; K31.6 78.5,243.94 ; K31.6 78.5,241.71 ; K31.6 79.62,242.82 ; K31.6 77.38,242.82 ; 54.88,234.09 K26.6 ; K26.6 54.88,236.32 ; K26.6 56,235.2 ; K26.6 53.76,235.2 ; 53.76,197.1 K9.6 ; K9.6 54.88,195.99 ; K9.6 54.88,198.22 ; K9.6 56,197.1 ; 54.88,218.85 K18.6 ; K18.6 53.76,219.96 ; K18.6 56,219.96 ; K18.6 54.88,221.08 ; 67.58,226.47 K22.7 ; K22.7 67.58,228.7 ; K22.7 66.46,227.58 ; K22.7 68.7,227.58 ; 31.26,218.85 K17.6 ; K17.6 31.26,221.08 ; K17.6 32.38,219.96 ; K17.6 30.14,219.96 ; K30.7 67.58,243.94 ; K30.7 68.7,242.82 ; K30.7 66.46,242.82 ; K30.7 67.58,241.71 ; K18.7 67.58,221.08 ; K18.7 68.7,219.96 ; K18.7 66.46,219.96 ; K18.7 67.58,218.85 ; 78.5,211.23 K14.6 ; K14.6 77.38,212.34 ; K14.6 79.62,212.34 ; K14.6 78.5,213.46 ; 78.5,218.85 K19.6 ; K19.6 79.62,219.96 ; K19.6 77.38,219.96 ; K19.6 78.5,221.08 ; 54.88,188.37 K3.6 ; K3.6 53.76,189.48 ; K3.6 56,189.48 ; K3.6 54.88,190.6 ; 90.08,219.96 K19.7 ; K19.7 92.32,219.96 ; K19.7 91.2,218.85 ; K19.7 91.2,221.08 ; 42.84,212.34 K4.7 ; K4.7 43.96,213.46 ; K4.7 45.08,212.34 ; K4.7 43.96,211.23 ; 66.46,235.2 K26.7 ; K26.7 67.58,236.32 ; K26.7 67.58,234.09 ; K26.7 68.7,235.2 ; 42.84,204.72 K5.7 ; K5.7 43.96,205.84 ; K5.7 43.96,203.61 ; K5.7 45.08,204.72 ; 67.58,211.23 K7.7 ; K7.7 66.46,212.34 ; K7.7 68.7,212.34 ; K7.7 67.58,213.46 ; K25.7 45.08,235.2 ; K25.7 43.96,236.32 ; K25.7 43.96,234.09 ; K25.7 42.84,235.2 ; 53.76,204.72 K8.6 ; K8.6 56,204.72 ; K8.6 54.88,205.84 ; K8.6 54.88,203.61 ; 67.58,188.37 K3.7 ; K3.7 68.7,189.48 ; K3.7 66.46,189.48 ; K3.7 67.58,190.6 ; K2.6 78.5,190.6 ; K2.6 79.62,189.48 ; K2.6 78.5,188.37 ; K2.6 77.38,189.48 ; 42.84,189.48 K16.7 ; K16.7 45.08,189.48 ; K16.7 43.96,190.6 ; K16.7 43.96,188.37 ; K14.7 92.32,212.34 ; K14.7 90.08,212.34 ; K14.7 91.2,213.46 ; K14.7 91.2,211.23 ; K29.6 32.38,242.82 ; K29.6 30.14,242.82 ; K29.6 31.26,243.94 ; K29.6 31.26,241.71 ; K15.6 103.24,212.34 ; K15.6 102.12,211.23 ; K15.6 101.01,212.34 ; K15.6 102.12,213.46 ; K7.6 54.88,213.46 ; K7.6 53.76,212.34 ; K7.6 56,212.34 ; K7.6 54.88,211.23 ; K21.6 32.38,227.58 ; K21.6 31.26,226.47 ; K21.6 30.14,227.58 ; K21.6 31.26,228.7 ; 53.76,242.82 K30.6 ; K30.6 54.88,241.71 ; K30.6 56,242.82 ; K30.6 54.88,243.94 ; K32.6 103.24,242.82 ; K32.6 102.12,243.94 ; K32.6 102.12,241.71 ; K32.6 101.01,242.82 ; 67.58,203.61 K8.7 ; K8.7 67.58,205.84 ; K8.7 66.46,204.72 ; K8.7 68.7,204.72 ; 102.12,234.09 K28.6 ; K28.6 102.12,236.32 ; K28.6 101.01,235.2 ; K28.6 103.24,235.2 ; 102.12,218.85 K20.6 ; K20.6 103.24,219.96 ; K20.6 102.12,221.08 ; K20.6 101.01,219.96 ; 30.14,197.1 K6.6 ; K6.6 32.38,197.1 ; K6.6 31.26,198.22 ; K6.6 31.26,195.99 ; K27.7 92.32,235.2 ; K27.7 91.2,236.32 ; K27.7 91.2,234.09 ; K27.7 90.08,235.2 ; K17.7 43.96,221.08 ; K17.7 42.84,219.96 ; K17.7 45.08,219.96 ; K17.7 43.96,218.85 ; K2.7 91.2,190.6 ; K2.7 90.08,189.48 ; K2.7 91.2,188.37 ; K2.7 92.32,189.48 ; K27.6 79.62,235.2 ; K27.6 78.5,234.09 ; K27.6 77.38,235.2 ; K27.6 78.5,236.32 ; 42.84,242.82 K29.7 ; K29.7 43.96,243.94 ; K29.7 45.08,242.82 ; K29.7 43.96,241.71 ; K13.6 103.24,204.72 ; K13.6 102.12,205.84 ; K13.6 102.12,203.61 ; K13.6 101.01,204.72 ; K1.6 103.24,189.48 ; K1.6 101.01,189.48 ; K1.6 102.12,190.6 ; K1.6 102.12,188.37 ; K9.7 68.7,197.1 ; K9.7 66.46,197.1 ; K9.7 67.58,195.99 ; K9.7 67.58,198.22 ; K16.6 31.26,190.6 ; K16.6 31.26,188.37 ; K16.6 32.38,189.48 ; K16.6 30.14,189.48 ; K23.7 91.2,228.7 ; K23.7 92.32,227.58 ; K23.7 91.2,226.47 ; K23.7 90.08,227.58 ; K21.7 45.08,227.58 ; K21.7 43.96,228.7 ; K21.7 43.96,226.47 ; K21.7 42.84,227.58 ; 101.01,197.1 K11.6 ; K11.6 102.12,195.99 ; K11.6 103.24,197.1 ; K11.6 102.12,198.22 ; 101.01,227.58 K24.6 ; K24.6 102.12,226.47 ; K24.6 103.24,227.58 ; K24.6 102.12,228.7 ; 91.2,203.61 K12.7 ; K12.7 92.32,204.72 ; K12.7 91.2,205.84 ; K12.7 90.08,204.72 ; 78.5,226.47 K23.6 ; K23.6 77.38,227.58 ; K23.6 79.62,227.58 ; K23.6 78.5,228.7 ; K22.6 56,227.58 ; K22.6 53.76,227.58 ; K22.6 54.88,228.7 ; K22.6 54.88,226.47 ; K5.6 31.26,205.84 ; K5.6 31.26,203.61 ; K5.6 30.14,204.72 ; K5.6 32.38,204.72 ; K10.7 91.2,198.22 ; K10.7 90.08,197.1 ; K10.7 91.2,195.99 ; K10.7 92.32,197.1 ; 91.2,241.71 K31.7 ; K31.7 91.2,243.94 ; K31.7 90.08,242.82 ; K31.7 92.32,242.82
  BOTTOM w0.152: SH10.1 v1(132.52,213.51)
  vias: v1(16.25,173.89) v1(16.25,168.81) v1(16.25,158.65) v1(16.25,153.57) v1(21.33,234.85) v1(21.33,229.77) v1(21.33,224.69) v1(21.33,209.45) v1(21.33,204.37) v1(21.33,199.29) v1(21.33,194.21) v1(21.33,173.89) v1(21.33,168.81) v1(21.33,163.73) v1(21.33,158.65) v1(21.33,153.57) v1(21.33,148.49) v1(24.35,219.2) v1(24.35,216.41) v1(26.41,178.97) v1(26.41,173.89) v1(26.41,168.81) v1(26.41,163.73) v1(26.41,158.65) v1(26.41,153.57) v1(26.41,148.49) v1(26.41,143.41) v1(31.49,178.97) v1(31.49,173.89) v1(31.49,168.81) v1(31.49,163.73) v1(36.57,178.97) v1(36.57,173.89) v1(36.57,168.81) v1(41.65,178.97) v1(41.65,173.89) v1(41.65,168.81) v1(42.18,288.29) v1(42.18,283.21) v1(42.96,279.15) v1(43.75,274.32) v1(43.75,271.53) v1(46.73,178.97) v1(46.73,173.89) v1(46.73,168.81) v1(46.73,163.73) v1(46.73,158.65) v1(46.73,148.49) v1(50.54,279.15) v1(51.32,288.29) v1(51.32,283.21) v1(51.81,178.97) v1(51.81,173.89) v1(51.81,168.81) v1(56.89,178.97) v1(56.89,173.89) v1(56.89,168.81) v1(59.76,250.95) v1(59.76,248.16) v1(61.97,194.21) v1(61.97,178.97) v1(61.97,173.89) v1(61.97,168.81) v1(62.81,269.13) v1(62.81,266.34) v1(67.05,178.97) v1(67.05,173.89) v1(67.05,168.81) v1(67.05,163.73) v1(67.05,158.65) v1(67.05,153.57) v1(67.05,148.49) v1(67.05,143.41) v1(72.13,178.97) v1(72.13,173.89) v1(72.13,168.81) v1(72.13,163.73) v1(77.21,178.97) v1(77.21,173.89) v1(77.21,168.81) v1(82.29,178.97) v1(82.29,173.89) v1(87.37,178.97) v2(139.52,212.63) v2(140.32,212.63) v2(141.12,212.63) v2(141.92,212.63) v2(141.92,211.83) v2(142.72,210.23) v2(142.72,209.43) v2(142.72,208.63) v2(145.75,211.84) v2(145.92,212.63)
